# Altium PCB ЕРКФ.758725.093Д11_и1_МВВ.PcbDoc (part 3 of 3) (continued)
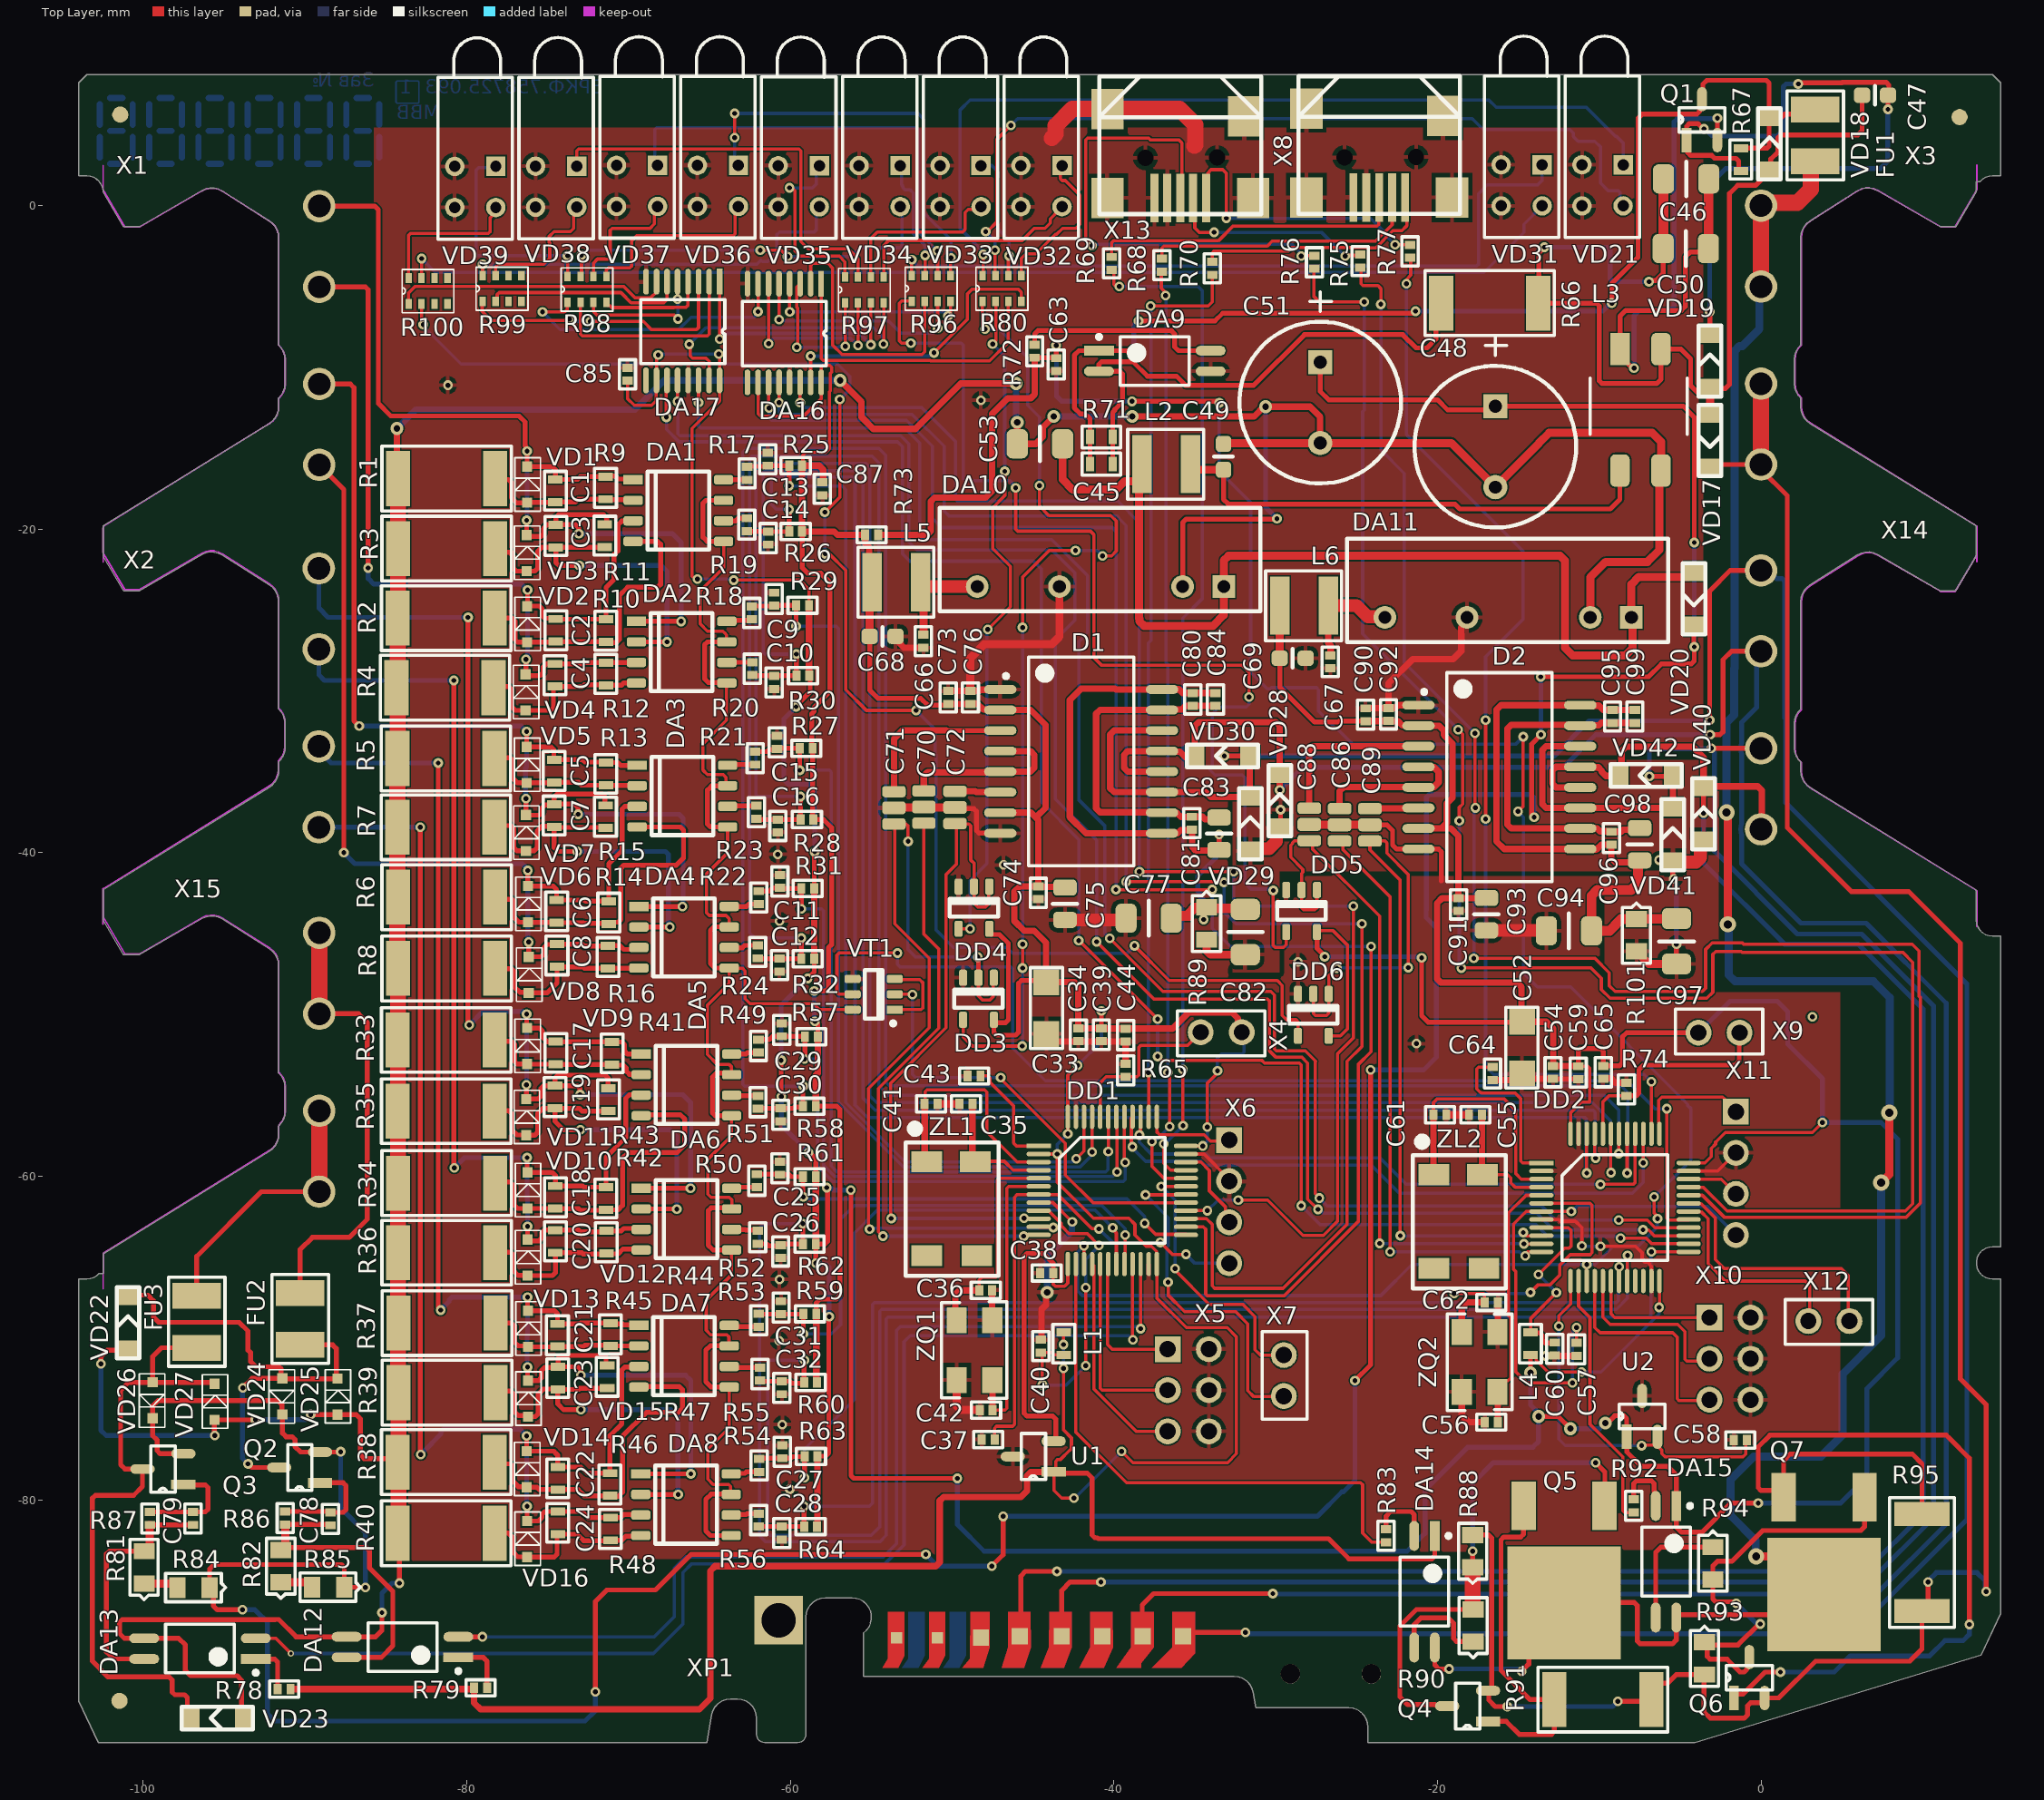
[diagram p0: Top Layer view]
## Nets (pads, with @x,y where several pads share a name; then routed paths per layer and width w, separated by ;. In a path a pad name is that pad's centre, name@x,y a point inside that pad or via, vN(x,y) a via of type N, cw(c..) or ccw(c..) an arc to the next point about the centre after c; other vN are vias at no path point) (continued)
NetFU2_1: FU2.1 Q2.2 VD22.K VD24.A VD25.K | length 30.8
  Top Layer w0.3: VD22.K@-100.95,-67.35 -99.725,-67.35 -99.375,-67.7 -99.375,-68.7 -99.05,-69.025 -94.075,-69.025 -93.525,-69.575 -93.525,-70.75 -93.375,-70.9 -93.375,-71.45 -93.05,-71.775 -91.601,-71.775 -91.479,-71.897 -91.479,-72.486 VD24.A@-91.465,-72.5 ; v1(-93.85,-73.075) -93.275,-72.5 VD24.A@-91.465,-72.5 ; v1(-93.525,-77.775) -93.3,-78 Q2.2@-91.6,-78 ; FU2.1@-90.3,-70.425 -88.3,-70.425 -88.075,-70.65 -88.075,-72.435 VD25.K@-88,-72.51 -91.325,-72.51 -91.4,-72.435 VD24.A@-91.465,-72.5
  Bottom Layer w0.3: v1(-93.85,-73.075) -93.875,-73.1 -93.875,-77.425 v1(-93.525,-77.775)
NetFU3_1: FU3.1 Q3.2 VD23.K VD26.A VD27.K | length 39.8
  Top Layer w0.3: VD23.K@-97.125,-93.5 -97.275,-93.35 -97.275,-92.226 -97.451,-92.05 -98.049,-92.05 -98.225,-91.874 -98.225,-91.126 -98.401,-90.95 -102.175,-90.95 -103.15,-89.975 -103.15,-79.901 -102.974,-79.725 -100.6,-79.725 -100.05,-79.175 Q3.2@-100.05,-78.1 -101.125,-78.1 -101.4,-77.825 -101.4,-73.225 -100.91,-72.735 VD26.A@-99.425,-72.735 ; FU3.1@-96.7,-70.6 -98.875,-70.6 -99.425,-71.15 VD26.A@-99.425,-72.735 ; VD27.K@-95.6,-72.825 -95.69,-72.735 VD26.A@-99.425,-72.735
NetQ4_1: Q4.1 Q5.3 R91.2 | length 21.9
  Top Layer w0.3: Q4.1@-16.875,-93.7 -15.75,-93.7 -14.95,-94.5 -12.951,-94.5 -12.775,-94.324 R91.2@-12.775,-92.35 -14.275,-92.35 -16.075,-90.55 -16.075,-82.476 -15.899,-82.3 -14.851,-82.3 -14.675,-82.124 Q5.3@-14.675,-80.375
NetQ4_2: Q4.2 Q5.1 R88.2 R90.1 | length 31
  Top Layer w0.3: Q4.2@-19.4,-92.75 -19.457,-92.693 -20.12,-92.693 -20.15,-92.662 -21.838,-92.662 -22.325,-92.175 -22.325,-87.8 -21.3,-86.775 -17.825,-86.775 R90.1@-17.8,-86.775 ; R88.2@-17.825,-84.175 v1(-17.825,-83.175) ; v1(-10.225,-77.7) -9.65,-78.275 -9.65,-80.35 Q5.1@-9.675,-80.375
  Top Layer w1: R90.1@-17.825,-86.775 R88.2@-17.825,-84.5
  Bottom Layer w0.3: v1(-17.825,-83.175) -17.825,-78.975 -16.55,-77.7 v1(-10.225,-77.7)
NetQ6_1: Q6.1 Q7.3 R95.2 | length 59.6
  Top Layer w0.3: Q6.1@-1.675,-92.25 -1.675,-92.151 -1.525,-92.001 -1.101,-92.001 0.25,-90.65 v1(1.2,-90.65) ; Q7.3@1.4,-79.85 Q7.3@1.4,-79.426 ; R95.2@9.95,-80.875 9.95,-77.775 9.35,-77.175 1.8,-77.175 1.4,-77.575 Q7.3@1.4,-79.426 ; v1(12.875,-87.7) 12.875,-77.425 11.624,-76.174 11.45,-76 0.55,-76 -0.175,-76.725 -0.175,-79.25 0.001,-79.426 Q7.3@1.4,-79.426
  Bottom Layer w0.3: v1(1.2,-90.65) 4.525,-90.65 5.525,-89.65 10.425,-89.65 11.375,-88.7 12.5,-88.7 12.875,-88.325 v1(12.875,-87.7)
NetQ6_2: Q6.2 Q7.1 R93.2 R94.1 | length 26.5
  Top Layer w0.3: R93.2@-3.5,-88.8 -3.35,-88.8 R93.2@-3.325,-88.825 ; v1(-1.525,-86.4) -1.625,-86.3 -2.799,-86.3 -2.975,-86.124 R94.1@-2.975,-84.925 -2.975,-84.075 -2.7,-83.8 -1.8,-83.8 0.1,-81.9 6.175,-81.9 6.4,-81.675 Q7.1@6.4,-79.85 ; Q6.2@-0.725,-89.725 -0.782,-89.782 -0.782,-90.314 -0.875,-90.406 -0.875,-90.475 -1.051,-90.651 -1.299,-90.651 -2.1,-89.85 -3.149,-89.85 -3.325,-89.674 R93.2@-3.325,-88.825 ; v1(-0.05,-87.675) -0.125,-87.675 -1.425,-88.975 -3.175,-88.975 R93.2@-3.325,-88.825
  Bottom Layer w0.3: v1(-1.525,-86.4) -0.307,-87.618 -0.107,-87.618 v1(-0.05,-87.675)
NetR68_2: R68.2 X8.2 | length 17.2
  Top Layer w0.2: R68.2@-37.025,-3.275 -37.025,-2.617 -36.908,-2.5 -30.516,-2.5 -30.216,-2.2 -23.825,-2.2 -22.8,-1.175 -22.8,0.4 X8.2@-22.7,0.5
NetR69_2: R69.2 X8.3 | length 19.6
  Top Layer w0.2: R69.2@-40.15,-3.175 -40.15,-2.292 -40.033,-2.175 -34.007,-2.175 -33.543,-2.175 -32.643,-1.275 -23.734,-1.275 -23.616,-1.158 -23.616,0.384 X8.3@-23.5,0.5
NetR70_2: R70.2 X8.1 | length 15.1
  Top Layer w0.2: R70.2@-33.925,-3.475 -33.925,-2.917 -33.808,-2.8 -29.2,-2.8 -28.975,-2.575 -24.367,-2.575 -24.317,-2.625 -23.825,-2.625 -22.75,-1.55 -22.2,-1.55 -21.9,-1.25 X8.1@-21.9,0.5
NetR75_2: R75.2 X13.2 | length 12.8
  Top Layer w0.2: X13.2@-35,0.475 -35,-1.375 -34.725,-1.65 v1(-33.8,-1.65) ; v1(-25.7,-3.125) -25.65,-3.075 -24.825,-3.075 R75.2@-24.775,-3.025
  Bottom Layer w0.2: v1(-33.8,-1.65) -27.175,-1.65 v1(-25.7,-3.125)
NetR76_2: R76.2 X13.3 | length 30.1
  Top Layer w0.2: v1(-41.35,-2.475) -41.35,-2.426 -41.75,-2.026 -41.75,4.058 -41.633,4.175 -37.842,4.175 -37.717,4.05 -35.975,4.05 -35.8,3.875 X13.3@-35.8,0.475 ; v1(-28.425,-3.125) -28.4,-3.1 R76.2@-27.6,-3.1
  Bottom Layer w0.2: v1@-41.125,-2.4 -29,-2.4 -28.425,-2.975 v1(-28.425,-3.125)
NetR77_2: R77.2 X13.1 | length 17.8
  Top Layer w0.2: X13.1@-34.2,0.475 -34.2,2 -34.125,2.075 -34.125,2.108 -34.008,2.225 -33.275,2.225 -33.05,2 v1(-33.05,-0.775) ; v1(-22.625,-2.425) R77.2@-21.7,-2.425
  Bottom Layer w0.2: v1(-33.05,-0.775) -33.025,-0.8 -24.125,-0.8 -23.275,-1.65 -23.275,-1.775 v1(-22.625,-2.425)
NetR80_3: DA16.1 R80.3 | length 19.3
  Top Layer w0.2: DA16.1@-58.1,-4.825 -58.1,-9.458 -57.983,-9.575 -51.357,-9.575 -51.332,-9.6 -47.684,-9.6 -46.55,-8.466 -46.55,-5.95 R80.3@-46.525,-5.925
NetR80_4: DA16.15 R80.4 | length 17.9
  Top Layer w0.2: DA16.15@-58.75,-10.925 v1(-58.75,-9.3) ; v1(-51.125,-9.1) -49.05,-7.025 -49.05,-5.45 -48.775,-5.175 -45.9,-5.175 -45.725,-5.35 R80.4@-45.725,-5.925
  Bottom Layer w0.2: v1(-58.75,-9.3) -51.442,-9.3 -51.242,-9.1 v1(-51.125,-9.1)
NetR80_5: R80.5 VD32.1 | length 9.9
  Top Layer w0.2: R80.5@-45.725,-4.325 -45.725,-3.25 -45.45,-2.975 -44.825,-2.975 -43.625,-1.775 -43.55,-1.775 -43.175,-1.4 -42.35,-1.4 -42.1,-1.15 -42.1,0.65 -43,1.55 -43.2,1.55 -43.317,1.667 -43.317,2.382 VD32.1@-43.41,2.475
NetR80_6: R80.6 VD33.1 | length 8.3
  Top Layer w0.2: R80.6@-46.525,-4.325 v1@-46.525,-2.9
  Bottom Layer w0.2: VD33.1@-48.41,2.475 -47.55,2.475 -47.175,2.1 -47.175,1.775 -47.2,1.75 -47.2,-1.4 -46.475,-2.125 v1(-46.475,-3.1)
NetR80_7: R80.7 VD21.3 | length 52.3
  Top Layer w0.2: v1(-47.925,-1.6) -47.825,-1.6 -47.225,-1 -47.225,4.1 v1(-46.375,4.95) ; v1(-47.35,-2.75) -47.35,-4.3 R80.7@-47.325,-4.325
  Bottom Layer w0.2: v1(-47.925,-1.6) -47.35,-2.175 v1(-47.35,-2.75) ; v1(-46.375,4.95) -45.996,5.329 cw(c-45.854,5.188) -45.853,5.388 -45.761,5.388 -17.946,5.388 cw(c-17.946,5.188) -17.804,5.329 -17.175,4.7 -11.825,4.7 -11.6,4.475 -11.6,4.275 -11.3,3.975 -10.275,3.975 -9.925,3.625 -9.925,1.4 -9.45,0.925 -8.825,0.925 -8.708,0.808 -8.708,0.168 VD21.3@-8.525,-0.015
NetR80_8: R80.8 VD21.1 | length 54.5
  Top Layer w0.2: R80.8@-48.125,-4.325 -48.075,-4.275 v1(-48.075,-3.025)
  Bottom Layer w0.2: v1(-48.075,-3.025) -48.075,-2.85 -49.5,-1.425 -49.5,5.925 -48.9,6.525 -16.825,6.525 -16.375,6.075 -10.8,6.075 -9,4.275 -8.925,4.275 -8.525,3.875 VD21.1@-8.525,2.525
NetR81_2: R81.2 R84.1 | length 2.2
  Top Layer w0.3: R84.1@-98.15,-85.175 R84.1@-97.9,-85.425
  Top Layer w0.5: R81.2@-99.95,-85.175 R84.1@-98.15,-85.175
NetR82_2: R82.2 R85.1 | length 2
  Top Layer w0.3: R85.1@-89.875,-85.1 R85.1@-89.575,-85.4
  Top Layer w0.5: R82.2@-91.5,-85.1 R85.1@-89.875,-85.1
NetR96_2: DA16.2 R96.2 | length 16.5
  Top Layer w0.2: DA16.2@-58.75,-4.825 -58.75,-3.692 -58.633,-3.575 -57.675,-3.575 -57.4,-3.85 -57.4,-8.607 -56.807,-9.2 -51.867,-9.2 -51.7,-9.033 R96.2@-51.7,-5.925
NetR96_3: DA16.5 R96.3 | length 14.2
  Top Layer w0.2: v1(-60.7,-7.05) DA16.5@-60.7,-4.825 ; v1@-50.925,-7.6 v1(-50.9,-7.575) R96.3@-50.9,-5.925
  Bottom Layer w0.2: v1(-60.7,-7.05) -60.625,-7.125 -53.925,-7.125 -53.175,-7.875 -51.2,-7.875 v1(-50.9,-7.575)
NetR96_4: DA16.4 R96.4 | length 12.6
  Top Layer w0.2: DA16.4@-60.05,-4.825 -60.05,-6.55 v1(-60.039,-6.561) ; v1(-50.25,-6.825) -50.25,-6.771 -50.1,-6.621 R96.4@-50.1,-5.925
  Bottom Layer w0.2: v1(-60.039,-6.561) -50.514,-6.561 v1(-50.25,-6.825)
NetR96_5: R96.5 VD36.1 | length 25.4
  Top Layer w0.2: v1(-63.45,4.2) v1(-63.45,5.7) ; R96.5@-50.1,-4.325 -50.1,-3.25 v1(-50.075,-3.225)
  Bottom Layer w0.2: v1(-63.45,4.2) -63.45,2.53 VD36.1@-63.41,2.49 ; v1(-63.45,5.7) -52.125,5.7 -51.809,5.384 -51.75,5.325 -51.75,-0.361 ccw(c-51.55,-0.361) -51.691,-0.503 -50.136,-2.059 cw(c-50.276,-2.201) -50.134,-2.06 cw(c-50.275,-2.202) -50.075,-2.201 ; v1(-50.075,-3.225) -50.075,-2.202
NetR96_6: R96.6 VD37.1 | length 27.8
  Top Layer w0.2: R96.6@-50.9,-4.325 v1@-50.9,-3.05
  Bottom Layer w0.2: VD37.1@-68.375,2.525 -68.375,4.691 -68.258,4.809 -52.167,4.809 -52.067,4.708 -52.067,-1.647 -51.922,-1.791 -50.96,-2.753 cw(c-51.101,-2.895) -50.934,-2.785 v1(-50.925,-2.8) v1(-50.925,-2.8)
NetR96_7: R96.7 VD34.1 | length 7.6
  Top Layer w0.2: R96.7@-51.7,-4.325 -51.675,-4.3 v1(-51.675,-3.075)
  Bottom Layer w0.2: VD34.1@-53.21,2.475 -53.184,2.449 cw(c-53.325,2.307) -53.125,2.307 -53.125,1.358 ccw(c-52.925,1.358) -53.066,1.216 -53.048,1.198 -53.048,1.104 -52.93,0.987 -52.612,0.987 -52.399,0.774 -52.399,-1.743 -51.734,-2.407 cw(c-51.875,-2.549) -51.675,-2.548 ; v1(-51.675,-3.075) -51.675,-2.549
NetR96_8: R96.8 VD31.1 | length 45.8
  Top Layer w0.2: R96.8@-52.5,-4.325 v1(-52.5,-3.35)
  Bottom Layer w0.2: v1(-52.5,-3.35) -52.125,-3.725 -17.567,-3.725 -17.45,-3.608 -17.45,0.75 -16.925,1.275 -13.8,1.275 -13.525,1.55 VD31.1@-13.525,2.525
NetR97_1: DA16.3 R97.1 | length 9.8
  Top Layer w0.2: v1(-59.6,-8.75) -59.539,-8.689 -59.539,-6.354 -59.6,-6.293 -59.6,-5.025 DA16.3@-59.4,-4.825 ; R97.1@-56.625,-6 -56.6,-6.025 v1(-56.6,-8.7)
  Bottom Layer w0.2: v1(-59.6,-8.75) -57.025,-8.75 -56.975,-8.7 v1(-56.6,-8.7)
NetR97_2: DA16.6 R97.2 | length 12.2
  Top Layer w0.2: v1(-61.35,-8.525) DA16.6@-61.35,-4.825 ; v1(-55.825,-8.65) R97.2@-55.825,-6
  Bottom Layer w0.2: v1(-61.35,-8.525) -61.025,-8.2 -56.282,-8.2 -55.832,-8.65 v1(-55.825,-8.65)
NetR97_3: DA17.1 R97.3 | length 15.9
  Top Layer w0.2: v1(-64.375,-8.25) DA17.1@-64.375,-4.7 ; v1(-55.025,-8.6) R97.3@-55.025,-6
  Bottom Layer w0.2: v1(-64.375,-8.25) -64.025,-7.9 -55.725,-7.9 v1(-55.025,-8.6)
NetR97_4: DA17.15 R97.4 | length 18.8
  Top Layer w0.2: v1(-66.25,-8.575) -66.2,-8.625 -66.2,-9.275 -66.05,-9.425 -65.225,-9.425 -65.025,-9.625 DA17.15@-65.025,-10.8 ; v1(-54.25,-8.55) -54.225,-8.525 R97.4@-54.225,-6
  Bottom Layer w0.2: v1(-66.25,-8.575) -65.225,-7.55 -54.875,-7.55 -54.25,-8.175 v1(-54.25,-8.55)
NetR97_5: R97.5 VD32.3 | length 14
  Top Layer w0.2: R97.5@-54.225,-4.4 -54.225,-2.45 -53.925,-2.15 -45.675,-2.15 -44.925,-1.4 -44.275,-1.4 -43.938,-1.063 -43.938,-0.81 -43.41,-0.281 VD32.3@-43.41,-0.065
NetR97_6: R97.6 VD33.3 | length 10.4
  Top Layer w0.2: R97.6@-55.025,-4.4 -55.025,-2.025 -54.625,-1.625 -49.35,-1.625 -49.2,-1.475 -49.2,-0.425 -49,-0.225 -48.57,-0.225 VD33.3@-48.41,-0.065
NetR97_7: R97.7 VD38.1 | length 25.6
  Top Layer w0.2: VD38.1@-73.21,2.44 -73.21,3.383 -73.093,3.5 -59.467,3.5 -59.35,3.383 -59.35,-2.225 -58.9,-2.675 -56.425,-2.675 -55.825,-3.275 R97.7@-55.825,-4.4
NetR97_8: R97.8 VD35.1 | length 11.3
  Top Layer w0.2: v1(-60.05,1.1) -60.025,1.075 -59.875,1.075 -59.725,0.925 -59.725,0.55 -59.725,-2.8 -59.4,-3.125 -56.975,-3.125 -56.625,-3.475 R97.8@-56.625,-4.4
  Bottom Layer w0.2: v1(-60.05,1.1) -58.625,1.1 -58.41,1.315 VD35.1@-58.41,2.465
NetR98_1: DA16.7 R98.1 | length 18.1
  Top Layer w0.2: v1(-75.325,-6.575) -73.95,-6.575 -73.8,-6.425 -73.8,-6 R98.1@-73.775,-5.975 ; v1(-62,-6.55) DA16.7@-62,-4.825
  Bottom Layer w0.2: v1(-75.325,-6.575) -74.238,-7.662 -66.905,-7.662 -66.143,-6.9 -62.25,-6.9 -62.1,-6.75 -62.1,-6.704 -62,-6.604 v1(-62,-6.55)
NetR98_2: DA17.2 R98.2 | length 13.2
  Top Layer w0.2: R98.2@-72.975,-5.975 -72.975,-7.933 -72.858,-8.05 -65.142,-8.05 -65.025,-7.933 DA17.2@-65.025,-4.7
NetR98_3: DA17.5 R98.3 | length 8.4
  Top Layer w0.2: R98.3@-72.175,-5.975 -72.175,-6.55 -71.95,-6.775 -67.175,-6.775 v1(-66.95,-7) ; v1@-66.975,-5.925 -66.975,-5.787 DA17.5@-66.975,-4.7
  Bottom Layer w0.2: v1(-66.975,-5.775) -66.95,-5.8 v1(-66.95,-7)
NetR98_4: DA17.4 R98.4 | length 6.8
  Top Layer w0.2: R98.4@-71.375,-5.975 -71.375,-6.075 -71.275,-6.175 -71.175,-6.175 -71.05,-6.3 -67.207,-6.3 -67.182,-6.275 -66.442,-6.275 -66.325,-6.158 DA17.4@-66.325,-4.7
NetR98_5: R98.5 VD36.3 | length 11.9
  Top Layer w0.2: R98.5@-71.375,-4.375 -71.375,-3.975 -71.25,-3.85 -69.925,-3.85 -69.8,-3.725 -69.8,-2.15 -69.5,-1.85 -63.525,-1.85 -63.41,-1.735 VD36.3@-63.41,-0.05
NetR98_6: R98.6 VD37.3 | length 7.7
  Top Layer w0.2: R98.6@-72.175,-4.375 -72.175,-3.55 -71.925,-3.3 -71.475,-3.3 -71.45,-3.325 -71.259,-3.325 -71.142,-3.208 -71.142,-1.517 -71.025,-1.4 -68.675,-1.4 -68.41,-1.135 VD37.3@-68.41,-0.05
NetR98_7: R98.7 VD34.3 | length 24.2
  Top Layer w0.2: R98.7@-72.975,-4.375 -72.909,-4.309 v1(-72.909,-3.059) ; v1(-61.861,-2.757) -60.568,-2.757 v1(-60.175,-3.15)
  Bottom Layer w0.2: v1(-72.909,-3.059) -72.607,-2.757 v1(-61.861,-2.757) ; v1(-60.175,-3.15) -56.275,-3.15 -55.725,-2.6 -53.3,-2.6 ccw(c-53.3,-2.4) -53.1,-2.4 -53.1,-0.258 ccw(c-53.3,-0.258) -53.159,-0.116 VD34.3@-53.21,-0.065
NetR98_8: R98.8 VD39.1 | length 13.3
  Top Layer w0.2: R98.8@-73.775,-4.375 v1(-73.775,-3.1)
  Bottom Layer w0.2: VD39.1@-78.41,2.425 -78.485,2.35 -79.275,2.35 -79.425,2.2 -79.425,-2.983 -79.308,-3.1 v1(-73.775,-3.1)
NetR99_1: DA17.3 R99.1 | length 17.4
  Top Layer w0.2: R99.1@-79.025,-5.925 -79.05,-5.95 -79.05,-6.541 -78.491,-7.1 -73.725,-7.1 v1(-73.65,-7.025) ; v1(-72.362,-7.162) -69.092,-7.162 -68.604,-7.65 -65.792,-7.65 -65.675,-7.533 DA17.3@-65.675,-4.7
  Bottom Layer w0.2: v1(-73.65,-7.025) -73.513,-7.162 v1(-72.362,-7.162)
NetR99_2: DA17.6 R99.2 | length 12.5
  Top Layer w0.2: R99.2@-78.225,-5.925 -78.125,-5.825 -78.125,-5.492 -78.008,-5.375 -70.475,-5.375 -69.85,-6 -67.825,-6 -67.625,-5.8 DA17.6@-67.625,-4.7
NetR99_7: R99.7 VD38.3 | length 8.5
  Top Layer w0.2: R99.7@-78.225,-4.325 -78.225,-3.8 -78.05,-3.625 -75.25,-3.625 -74.875,-3.25 -74.875,-2.3 -74.925,-2.25 -74.925,-1.925 -74.6,-1.6 -73.6,-1.6 -73.4,-1.4 -73.4,-0.11 VD38.3@-73.41,-0.1
NetR99_8: R99.8 VD35.3 | length 24.4
  Top Layer w0.2: R99.8@-79.025,-4.325 -79.033,-4.317 -79.024,-4.308 v1(-79.024,-3.621) -79.027,-3.617 -79.033,-3.617 v1@-79.025,-3.625
  Bottom Layer w0.2: v1(-79.024,-3.621) -62.064,-3.621 -61.819,-3.375 -61.748,-3.446 -61.407,-3.446 -60.85,-2.888 -60.85,-1.8 -60.675,-1.625 -58.527,-1.625 -58.41,-1.508 VD35.3@-58.41,-0.075
NetR100_1: DA17.7 R100.1 | length 17.2
  Top Layer w0.2: R100.1@-83.6,-6.075 -83.6,-5.4 -83.2,-5 -70.3,-5 -69.925,-5.375 -69.6,-5.7 -68.65,-5.7 -68.275,-5.325 DA17.7@-68.275,-4.7
NetR100_7: R100.7 VD31.3 | length 72.8
  Top Layer w0.2: R100.7@-82.8,-4.475 v1(-82.8,-3.275)
  Bottom Layer w0.2: v1(-82.8,-3.275) -81.954,-4.121 -17.121,-4.121 -14.66,-1.659 -14.66,-1.15 VD31.3@-13.525,-0.015
NetR100_8: R100.8 VD39.3 | length 9.3
  Top Layer w0.2: R100.8@-83.6,-4.475 -83.6,-1.842 -83.483,-1.725 -78.667,-1.725 -78.55,-1.608 -78.55,-0.726 -78.401,-0.577 -78.401,-0.124 VD39.3@-78.41,-0.115
NetVT1_1: VT1.1 VT1.3 | length 5.2
  Top Layer w0.2: VT1.1@-53.55,-49.7 -51.925,-49.7 -51.8,-49.575 -51.8,-48.05 -52,-47.85 -53.5,-47.85 VT1.3@-53.55,-47.8
out1_to_X: FU2.2 X15.1 X15.2 | length 28
  Top Layer w0.3: FU2.2@-90.3,-67.225 -90.3,-64.525 -89.55,-63.775 -87.275,-63.775 -86.15,-62.65 -86.15,-50.5 -86.7,-49.95 X15.2@-89.125,-49.95
  Top Layer w1: X15.2@-89.125,-49.95 X15.1@-89.125,-44.95
out2_to_X: FU3.2 X15.3 X15.4 | length 16.7
  Top Layer w0.3: FU3.2@-96.7,-67.4 -96.7,-64.95 -92.7,-60.95 X15.4@-89.125,-60.95
  Top Layer w1: X15.4@-89.125,-60.95 X15.3@-89.125,-55.95
Pg: C63.1 DD1.15 DD2.15 R72.2 R73.1 | length 152.1
  Top Layer w0.2: DD1.15@-41.85,-65.425 v1(-41.85,-64.3) ; v1(-15.025,-37.45) -14.7,-37.125 v1(-14.7,-32.825) ; DD2.15@-10.775,-66.475 v1(-10.775,-65.45) ; v1(-6.6,-61.275) -6.6,-62.275 -6.4,-62.475 v1(-6.4,-62.612)
  Top Layer w0.3: R72.2@-44.9,-9.4 -43.6,-9.4 C63.1@-43.575,-9.425 v1(-43.575,-8.65) ; v1(-38.875,-12.1) -33.575,-12.1 v1@-33.4,-12.275
  Top Layer w0.4: R73.1@-54.575,-20.35 -51.559,-20.35 -51.325,-20.116 -51.325,-18.284 -51.091,-18.05 -47.925,-18.05 -47.525,-17.65 -47.525,-12.875 -46.55,-11.9 -45.134,-11.9 -44.9,-11.666 R72.2@-44.9,-9.4
  Bottom Layer w0.2: v1(-41.85,-64.3) -42.25,-64.7 -42.25,-67.082 -41.957,-67.375 -23.5,-67.375 -21.575,-65.45 -10.25,-65.45 -9.125,-64.325 -8.466,-64.325 -8.441,-64.3 -7.575,-64.3 -6.425,-63.15 -6.425,-62.637 v1(-6.4,-62.612) ; v1(-33.487,-12.187) -33.487,-16.412 -31.55,-18.35 -31.55,-28.825 -30.508,-29.867 -30.342,-29.867 -30.275,-29.8 -27.467,-29.8 -27.35,-29.917 -27.35,-31.25 -26.325,-32.275 -26.25,-32.275 -25.225,-33.3 -15.175,-33.3 v1(-14.7,-32.825) ; v1(-15.025,-37.45) -14.675,-37.8 -14.675,-47.45 -13.825,-48.3 -11.775,-48.3 -4.525,-55.55 -4.525,-55.625 -4.325,-55.825 -4.325,-59 v1(-6.6,-61.275)
  Bottom Layer w0.3: v1(-43.575,-8.65) -43.55,-8.675 -43.55,-11.775 -43.225,-12.1 v1(-38.875,-12.1)
"pwm out1": DA12.2 DD1.22 | length 63.6
  Top Layer w0.2: v1@-38.35,-69.4 DD1.22@-38.35,-65.425
  Top Layer w0.3: DA12.2@-80.525,-88.465 v1(-79.04,-88.465)
  Bottom Layer w0.2: v1(-79.04,-88.465) -68.415,-88.465 -67.175,-87.225 -67.175,-84.225 -66.475,-83.525 -54.25,-83.525 -53.425,-82.7 -53.425,-69.525 -53.2,-69.3 -38.529,-69.3 -38.404,-69.425 v1(-38.35,-69.425)
"pwm out2": DA13.2 DD1.21 | length 76.8
  Top Layer w0.2: DA13.2@-93.05,-88.565 -91.81,-88.565 v4(-90.875,-89.5) ; v1@-38.85,-70.125 DD1.21@-38.85,-65.425
  Bottom Layer w0.2: v4(-90.875,-89.5) -68.475,-89.5 -66.65,-87.675 -66.65,-84.5 -66.1,-83.95 -54.15,-83.95 -52.975,-82.775 -52.975,-70.225 -52.6,-69.85 -39.075,-69.85 v1(-38.825,-70.1)
res1: C37.2 DD1.7 X6.4 | length 31.2
  Top Layer w0.2: C37.2@-47.375,-76.275 -47.375,-75.567 -47.258,-75.45 -46.267,-75.45 -46.15,-75.333 -46.15,-61.3 -45.975,-61.125 -43.475,-61.125 -41.362,-63.238 -40.937,-63.238 v1(-40.925,-63.25) ; v1(-37.132,-64.088) -36.395,-64.825 v1(-35.55,-64.825)
  Bottom Layer w0.2: v1(-40.925,-63.25) -40.05,-64.125 -37.169,-64.125 v1(-37.132,-64.088) ; v1(-35.55,-64.825) -34.995,-65.38 X6.4@-32.875,-65.38
res2: C57.2 DD2.7 X11.4 | length 32.4
  Top Layer w0.2: v1(-11.725,-62.175) DD2.7@-13.575,-62.175 -14.524,-62.175 -15.3,-62.951 -15.3,-65.75 -15.15,-65.9 -15.15,-72.1 -14.475,-72.775 v1(-11.65,-72.775) ; C57.2@-11.4,-70.3 v1(-11.4,-69.35)
  Bottom Layer w0.2: v1(-11.725,-62.175) -11.708,-62.175 -11.408,-61.875 -3.305,-61.875 X11.4@-1.55,-63.63 ; v1(-11.65,-72.775) -11.65,-69.6 v1(-11.4,-69.35)
SCK_1: DA16.11 DD1.26 | length 104
  Top Layer w0.2: DA16.11@-61.35,-10.925 -61.333,-10.942 -61.333,-12.49 v1(-61.316,-12.507) ; v1(-39.875,-42.275) -39.85,-42.3 -33.95,-42.3 v1(-33.925,-42.275) ; DD1.26@-35.55,-63.125 -34.475,-63.125 -34.325,-63.275 -34.325,-67.283 -34.208,-67.4 -29.492,-67.4 -24.9,-62.808 -24.9,-53.1 -24.1,-52.3 v1(-24.1,-45.8)
  Bottom Layer w0.2: v1(-61.316,-12.507) -61.3,-12.523 -61.3,-13.158 -61.183,-13.275 -52.825,-13.275 -51.225,-14.875 -51.225,-19.325 -50.65,-19.9 -40.1,-19.9 -39.875,-20.125 v1(-39.875,-42.275) ; v1(-33.925,-42.275) -33.925,-44.675 -32.8,-45.8 v1(-24.1,-45.8)
SCK_2: DA17.11 DD2.26 | length 109.5
  Top Layer w0.2: v1(-67.669,-13.081) -67.669,-10.844 DA17.11@-67.625,-10.8 ; v1(-42.175,-45.425) -41.947,-45.653 -41.922,-45.653 v1(-37.3,-50.275) ; v1(-37.3,-52.591) -37.066,-52.825 -30.877,-52.825 -30.702,-53 -28.542,-53 -28.425,-53.117 v1(-28.425,-61.825) ; v1(-8.675,-63.825) -7.1,-63.825 -6.75,-64.175 DD2.26@-4.475,-64.175
  Bottom Layer w0.2: v1(-67.669,-13.081) -67.65,-13.1 -67.65,-13.832 -66.882,-14.6 -53.375,-14.6 -53.075,-14.9 -53.075,-21.525 -52.625,-21.975 -44.975,-21.975 -44.5,-22.45 -44.5,-36.85 -42.175,-39.175 v1(-42.175,-45.425) ; v1(-37.3,-52.591) v1(-37.3,-50.275) ; v1(-28.425,-61.825) -27.275,-62.975 -13.925,-62.975 -13.2,-63.7 -8.992,-63.7 -8.944,-63.748 -8.752,-63.748 v1(-8.675,-63.825)
STCP_1: DA16.12 DD1.27 | length 101.9
  Top Layer w0.2: v1@-60.725,-12.2 v1(-60.7,-12.175) DA16.12@-60.7,-10.925 ; v1(-39.25,-41.8) -39.225,-41.775 -33.25,-41.775 v1(-33.2,-41.825) ; DD1.27@-35.55,-62.625 -34.275,-62.625 -33.925,-62.975 -33.925,-66.775 -33.775,-66.925 -29.55,-66.925 -25.6,-62.975 -25.6,-52.9 -24.675,-51.975 v1(-24.675,-44.4)
  Bottom Layer w0.2: v1(-60.7,-12.175) -60.7,-12.783 -60.583,-12.9 -52.475,-12.9 -50.5,-14.875 -50.5,-18.875 -50.2,-19.175 -39.817,-19.175 -39.7,-19.292 -39.7,-19.325 -39.25,-19.775 v1(-39.25,-41.8) ; v1(-33.2,-41.825) -33.2,-43.65 -32.45,-44.4 v1(-24.675,-44.4)
STCP_2: DA17.12 DD2.27 | length 110.2
  Top Layer w0.2: v1(-66.975,-12.1) DA17.12@-66.975,-10.8 ; v1(-41.075,-45.5) -37.525,-49.05 -30.5,-49.05 -30.375,-49.175 -30.375,-52.257 -30.004,-52.629 -28.396,-52.629 -28.025,-53 -28.025,-61.419 v1(-27.394,-62.05) ; v1(-7.291,-63.309) -7.275,-63.325 -6.95,-63.325 -6.6,-63.675 DD2.27@-4.475,-63.675
  Bottom Layer w0.2: v1(-66.975,-12.1) -66.95,-12.125 -66.95,-14.108 -66.833,-14.225 -53.175,-14.225 -52.675,-14.725 -52.675,-20.775 -52.15,-21.3 -43.825,-21.3 -42.425,-22.7 -42.425,-25.625 -43.625,-26.825 -43.625,-36.675 -41.075,-39.225 v1(-41.075,-45.5) ; v1(-27.394,-62.05) -27.302,-62.05 -27.077,-62.275 -13.875,-62.275 -12.841,-63.309 v1(-7.291,-63.309)
TX/RX_485_RE/DE_1: C70.1 DD1.12 | length 37.3
  Top Layer w0.2: v1(-54.275,-63.7) -54.55,-63.425 -54.55,-54.575 -50.825,-50.85 -50.825,-45.95 -51.75,-45.025 C70.1@-51.75,-38.175 ; v1(-45.575,-63.7) -45.575,-63.625 DD1.12@-44.65,-63.625
  Bottom Layer w0.2: v1(-54.275,-63.7) v1(-45.575,-63.7)
TX/RX_485_RE/DE_2: C86.1 DD2.12 | length 36.4
  Top Layer w0.2: C86.1@-26.05,-39.275 -25.842,-39.483 -25.842,-39.808 -22.925,-42.725 v1(-22.925,-64.675) ; v1@-14.575,-65.025 v1(-14.575,-64.925) -14.575,-64.825 -14.425,-64.675 DD2.12@-13.575,-64.675
  Bottom Layer w0.2: v1(-22.925,-64.675) -14.933,-64.675 -14.683,-64.925 v1(-14.575,-64.925)
UART_RX_1: C71.1 DD1.11 DD3.1 DD3.2 | length 57.6
  Top Layer w0.2: v1(-55.104,-63.271) -55.175,-63.2 -55.175,-54.575 -51.425,-50.825 -51.425,-46.525 -53.55,-44.4 -53.55,-38.275 C71.1@-53.6,-38.225 -52.842,-38.225 -52.725,-38.342 v1(-52.725,-39.3) ; v1(-48.425,-46.45) -48.375,-46.5 v1@-48.375,-46.675 ; DD3.2@-48.375,-47.725 -48.375,-48.85 -48.125,-49.1 -47.675,-49.1 -47.475,-48.9 -47.475,-47.775 DD3.1@-47.425,-47.725 ; DD1.11@-44.65,-63.125 -44.635,-63.14 -43.778,-63.14 v1(-43.746,-63.172)
  Top Layer w0.3: DD3.2@-48.375,-47.725 v1@-48.375,-46.675
  Bottom Layer w0.2: v1(-55.104,-63.271) -55.034,-63.2 -43.774,-63.2 v1(-43.746,-63.172) ; v1(-52.725,-39.3) -52.725,-46 -52.275,-46.45 v1(-48.425,-46.45)
UART_RX_2: C88.1 DD2.11 DD5.1 DD5.2 | length 44.3
  Top Layer w0.2: DD5.2@-28.425,-42.225 -28.4,-42.2 -28.4,-41.275 -28.325,-41.2 -28.325,-41.025 -29.075,-40.275 -29.075,-39.55 -28.95,-39.425 -28.95,-39.375 -28.833,-39.258 -27.933,-39.258 C88.1@-27.925,-39.25 -27.717,-39.458 -27.717,-39.783 -23.575,-43.925 v1(-23.575,-64.15) ; DD5.2@-28.4,-42.3 -28.4,-43.399 -28.283,-43.516 -27.575,-43.516 -27.458,-43.399 -27.458,-42.308 DD5.1@-27.45,-42.3 ; v1@-14.625,-64.2 -13.6,-64.2 DD2.11@-13.575,-64.175
  Bottom Layer w0.2: v1(-23.575,-64.15) -23.55,-64.175 v1(-14.65,-64.175)
UART_TX_1: C72.1 DD1.10 DD4.1 DD4.2 | length 43.2
  Top Layer w0.2: v1(-53.763,-62.606) -53.8,-62.569 -53.8,-54.249 -50.375,-50.824 -50.375,-41.35 -49.725,-40.7 C72.1@-49.725,-38.3 ; C72.1@-49.825,-38.2 -49.8,-38.225 -48.967,-38.225 -48.85,-38.342 -48.85,-40.45 -48.65,-40.65 DD4.2@-48.65,-42.1 -48.65,-43.125 -48.425,-43.35 -47.95,-43.35 -47.75,-43.15 -47.75,-42.15 DD4.1@-47.7,-42.1 ; v1(-45.55,-62.6) -45.525,-62.625 DD1.10@-44.65,-62.625
  Bottom Layer w0.2: v1(-53.763,-62.606) -45.556,-62.606 v1(-45.55,-62.6)
UART_TX_2: C89.1 DD2.10 DD6.1 DD6.2 | length 53
  Top Layer w0.2: DD6.2@-27.675,-48.725 -27.675,-49.933 -27.558,-50.05 -26.85,-50.05 -26.725,-49.925 DD6.1@-26.725,-48.725 -26.725,-47.625 v1(-26.225,-47.125) ; v1(-22.3,-63.675) -22.3,-41.7 -24.175,-39.825 C89.1@-24.175,-39.275 -23.242,-39.275 -23.125,-39.392 -23.125,-40.025 -21.8,-41.35 v1(-21.8,-47.1) ; v1(-14.7,-63.475) -14.5,-63.675 DD2.10@-13.575,-63.675
  Bottom Layer w0.2: v1@-26.075,-47.125 -21.825,-47.125 v1(-21.8,-47.1) ; v1(-22.3,-63.675) -14.95,-63.675 -14.75,-63.475 v1(-14.7,-63.475)
pads on no net: DA16.9 DA17.9 DD2.21 DD2.22 R99.3 R99.4 R99.5 R99.6 R100.3 R100.4 R100.5 R100.6 X8.10 X8.11 X13.10 X13.11 XP1.1c XP1.2c XP1.3 XP1.3c XP1.4c XP1.5c XP1.6 XP1.7 XP1.7f XP1.8 XP1.8f XP1.9 ZL1.3 ZL2.3
copper on no net: | length 49.6
  Bottom Layer w0.1: -84.375,6.392 -84.375,7.308 -84.375,7.65 -84.316,7.708 -83.017,7.708 -82.959,7.65 -82.959,6.392 -83.017,6.333 -84.316,6.333 -84.375,6.392
  Bottom Layer w0.381: -102.688,2.973 -102.688,4.243 ; -102.688,5.005 -102.688,6.275 ; -102.053,2.592 -101.291,2.592 ; -102.053,4.624 -101.291,4.624 ; -102.053,6.656 -101.291,6.656 ; -100.656,2.973 -100.656,4.243 ; -100.656,5.005 -100.656,6.275 ; -99.64,2.973 -99.64,4.243 ; -99.64,5.005 -99.64,6.275 ; -99.005,2.592 -98.243,2.592 ; -99.005,4.624 -98.243,4.624 ; -99.005,6.656 -98.243,6.656 ; -97.608,2.973 -97.608,4.243 ; -97.608,5.005 -97.608,6.275 ; -96.592,2.973 -96.592,4.243 ; -96.592,5.005 -96.592,6.275 ; -95.957,2.592 -95.195,2.592 ; -95.957,4.624 -95.195,4.624 ; -95.957,6.656 -95.195,6.656 ; -94.56,2.973 -94.56,4.243 ; -94.56,5.005 -94.56,6.275 ; -93.544,2.973 -93.544,4.243 ; -93.544,5.005 -93.544,6.275 ; -92.909,2.592 -92.147,2.592 ; -92.909,4.624 -92.147,4.624 ; -92.909,6.656 -92.147,6.656 ; -91.512,2.973 -91.512,4.243 ; -91.512,5.005 -91.512,6.275 ; -90.496,2.973 -90.496,4.243 ; -90.496,5.005 -90.496,6.275 ; -89.861,2.592 -89.099,2.592 ; -89.861,4.624 -89.099,4.624 ; -89.861,6.656 -89.099,6.656 ; -88.464,2.973 -88.464,4.243 ; -88.464,5.005 -88.464,6.275 ; -87.448,2.973 -87.448,4.243 ; -87.448,5.005 -87.448,6.275 ; -86.813,2.592 -86.051,2.592 ; -86.813,4.624 -86.051,4.624 ; -86.813,6.656 -86.051,6.656 ; -85.416,2.973 -85.416,4.243 ; -85.416,5.005 -85.416,6.275
  other v1: 3.175,-50.15

## Polygon pours and split planes (outlines as drawn)
GND on Bottom Layer "NONET_L-01_P-001" (solid, remove dead copper, pour order 10): -85.875,-81.425 -85.75,-81.3 -85.75,5.825 -4.975,5.825 -4.275,6.525 -3.575,5.825 -3.575,-47.925 -3.275,-47.625 4.9,-47.625 4.9,-80.575
ERTH on Bottom Layer "ERTH_L02_P002" (solid, pour order 2): -32.675,-47.4 -29.775,-47.4 -29.775,-41.275 -8.425,-41.275 -2.65,-41.275 -2.625,-41.3 -2.625,-34.4 -32.625,-34.4 -32.675,-34.45
ERTH on Bottom Layer "ERTH_L02_P005" (solid, remove dead copper, pour order 5): -2.625,-41.15 -2.625,-48.875 -9.625,-48.875 -9.675,-48.925 -9.675,-41.1
GND on Top Layer "NONET_L-01_P-001" (solid, remove dead copper, pour order 9): -85.75,-83.822 -85.75,4.825 -4.975,4.825 -4.275,5.525 -3.575,4.825 -3.575,-48.925 -3.275,-48.625 4.9,-48.625 4.9,-82.973
ERTH on Top Layer "ERTH_L01_P004" (solid, remove dead copper, pour order 4): -2.625,-41.15 -2.625,-48.875 -9.675,-48.925 -9.675,-48.225 -9.675,-41.1
ERTH on Top Layer "ERTH_L01_P003" (solid, pour order 3): -32.65,-40.45 -32.65,-47.4 -29.775,-47.4 -29.775,-41.15 -8.4,-41.15 -2.625,-41.15 -2.6,-41.175 -2.6,-34.275 -32.6,-34.275 -32.65,-34.325

## Other copper
Bottom Layer:
  text "Зав №" at -85.725,7.042 h1.52
  text "ЕРКФ.758725.093  1" at -71.575,6.617 h1.5
  text "МВВ" at -81.65,5.05 h1.5

## Silkscreen, mask and mechanical layers (free items; w line width, h text height)
Bottom Solder:
  region: -103.2,6.975 -103.2,2.25 -84.7,2.25 -84.7,6.975
Board:
  drawing of 271 lines, arcs and shapes, not listed